# Altium PCB mantarray_beta2_sensor.PcbDoc (part 1 of 5)
Units mm, origin at the board's own origin, x right, y up, seen from the top; angles counter-clockwise.
Board outline 194.65 x 250 mm, 6 copper layers (Top Layer, GND1, Signal1, Int3 (Sign), AVDD, Bottom Layer), stack 1.551 mm thick; 528 components, 0 nets, 3971 pads, 590 vias.
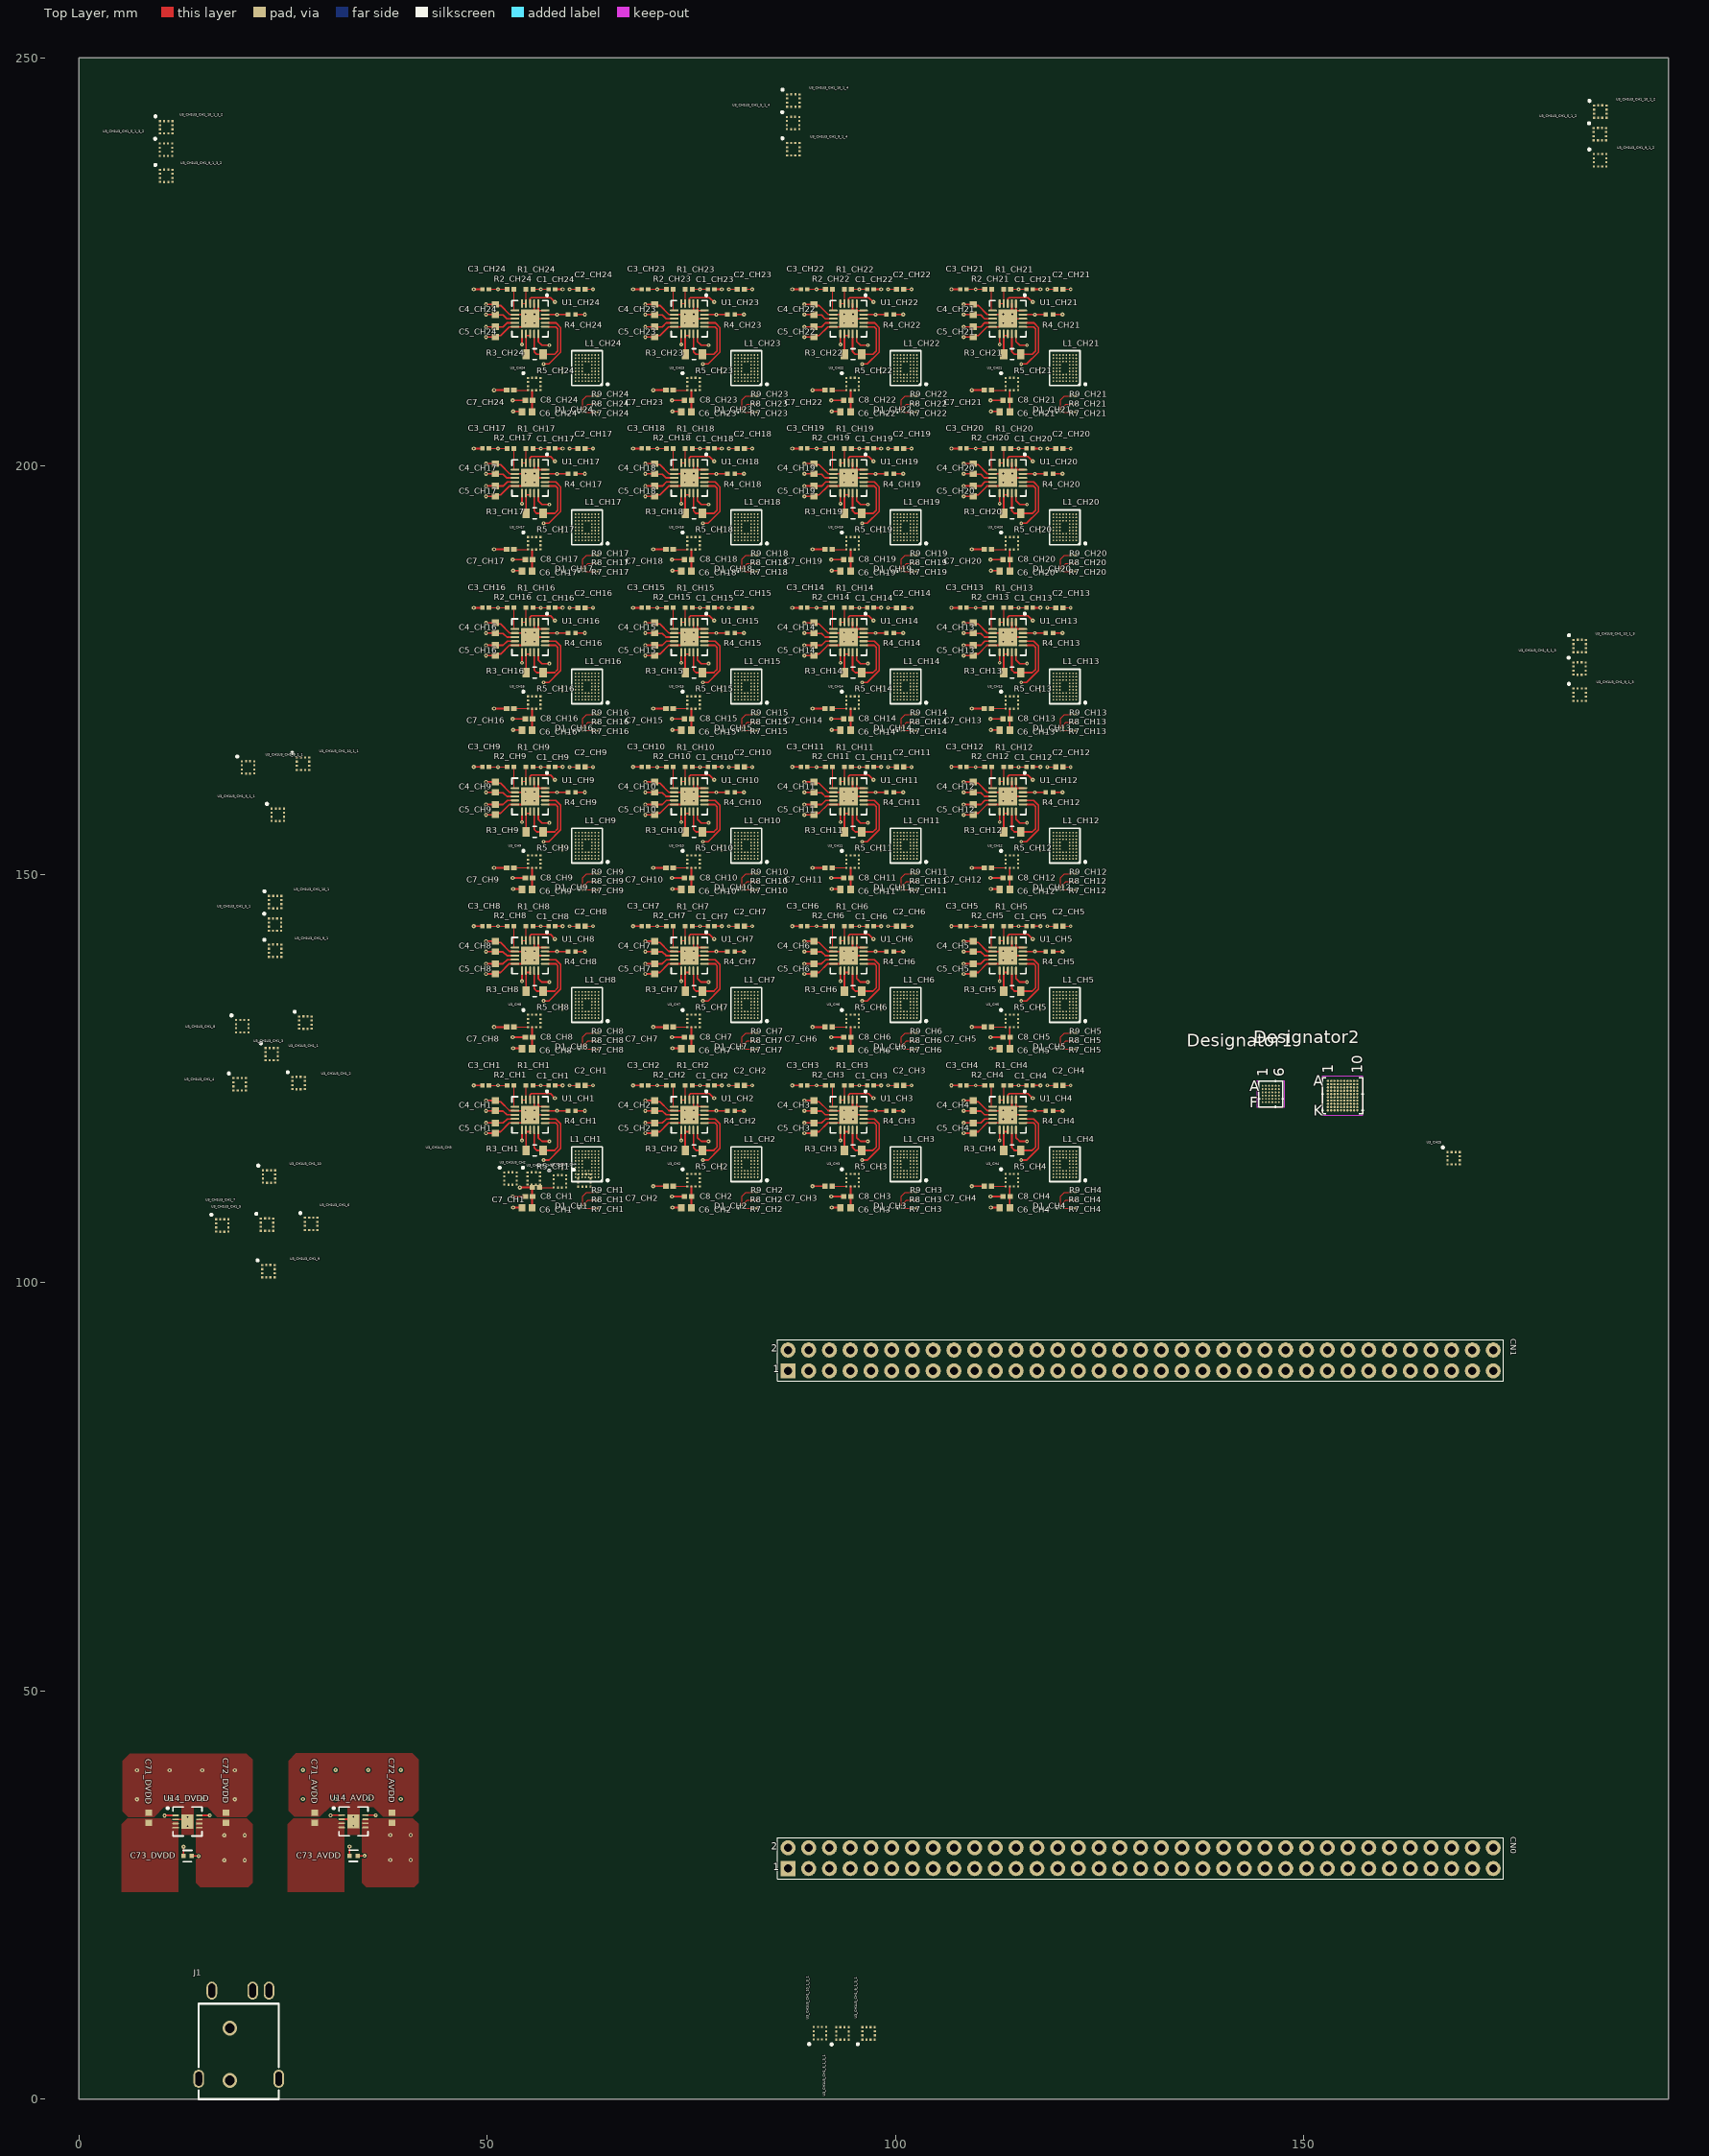
[diagram p0: Top Layer view]
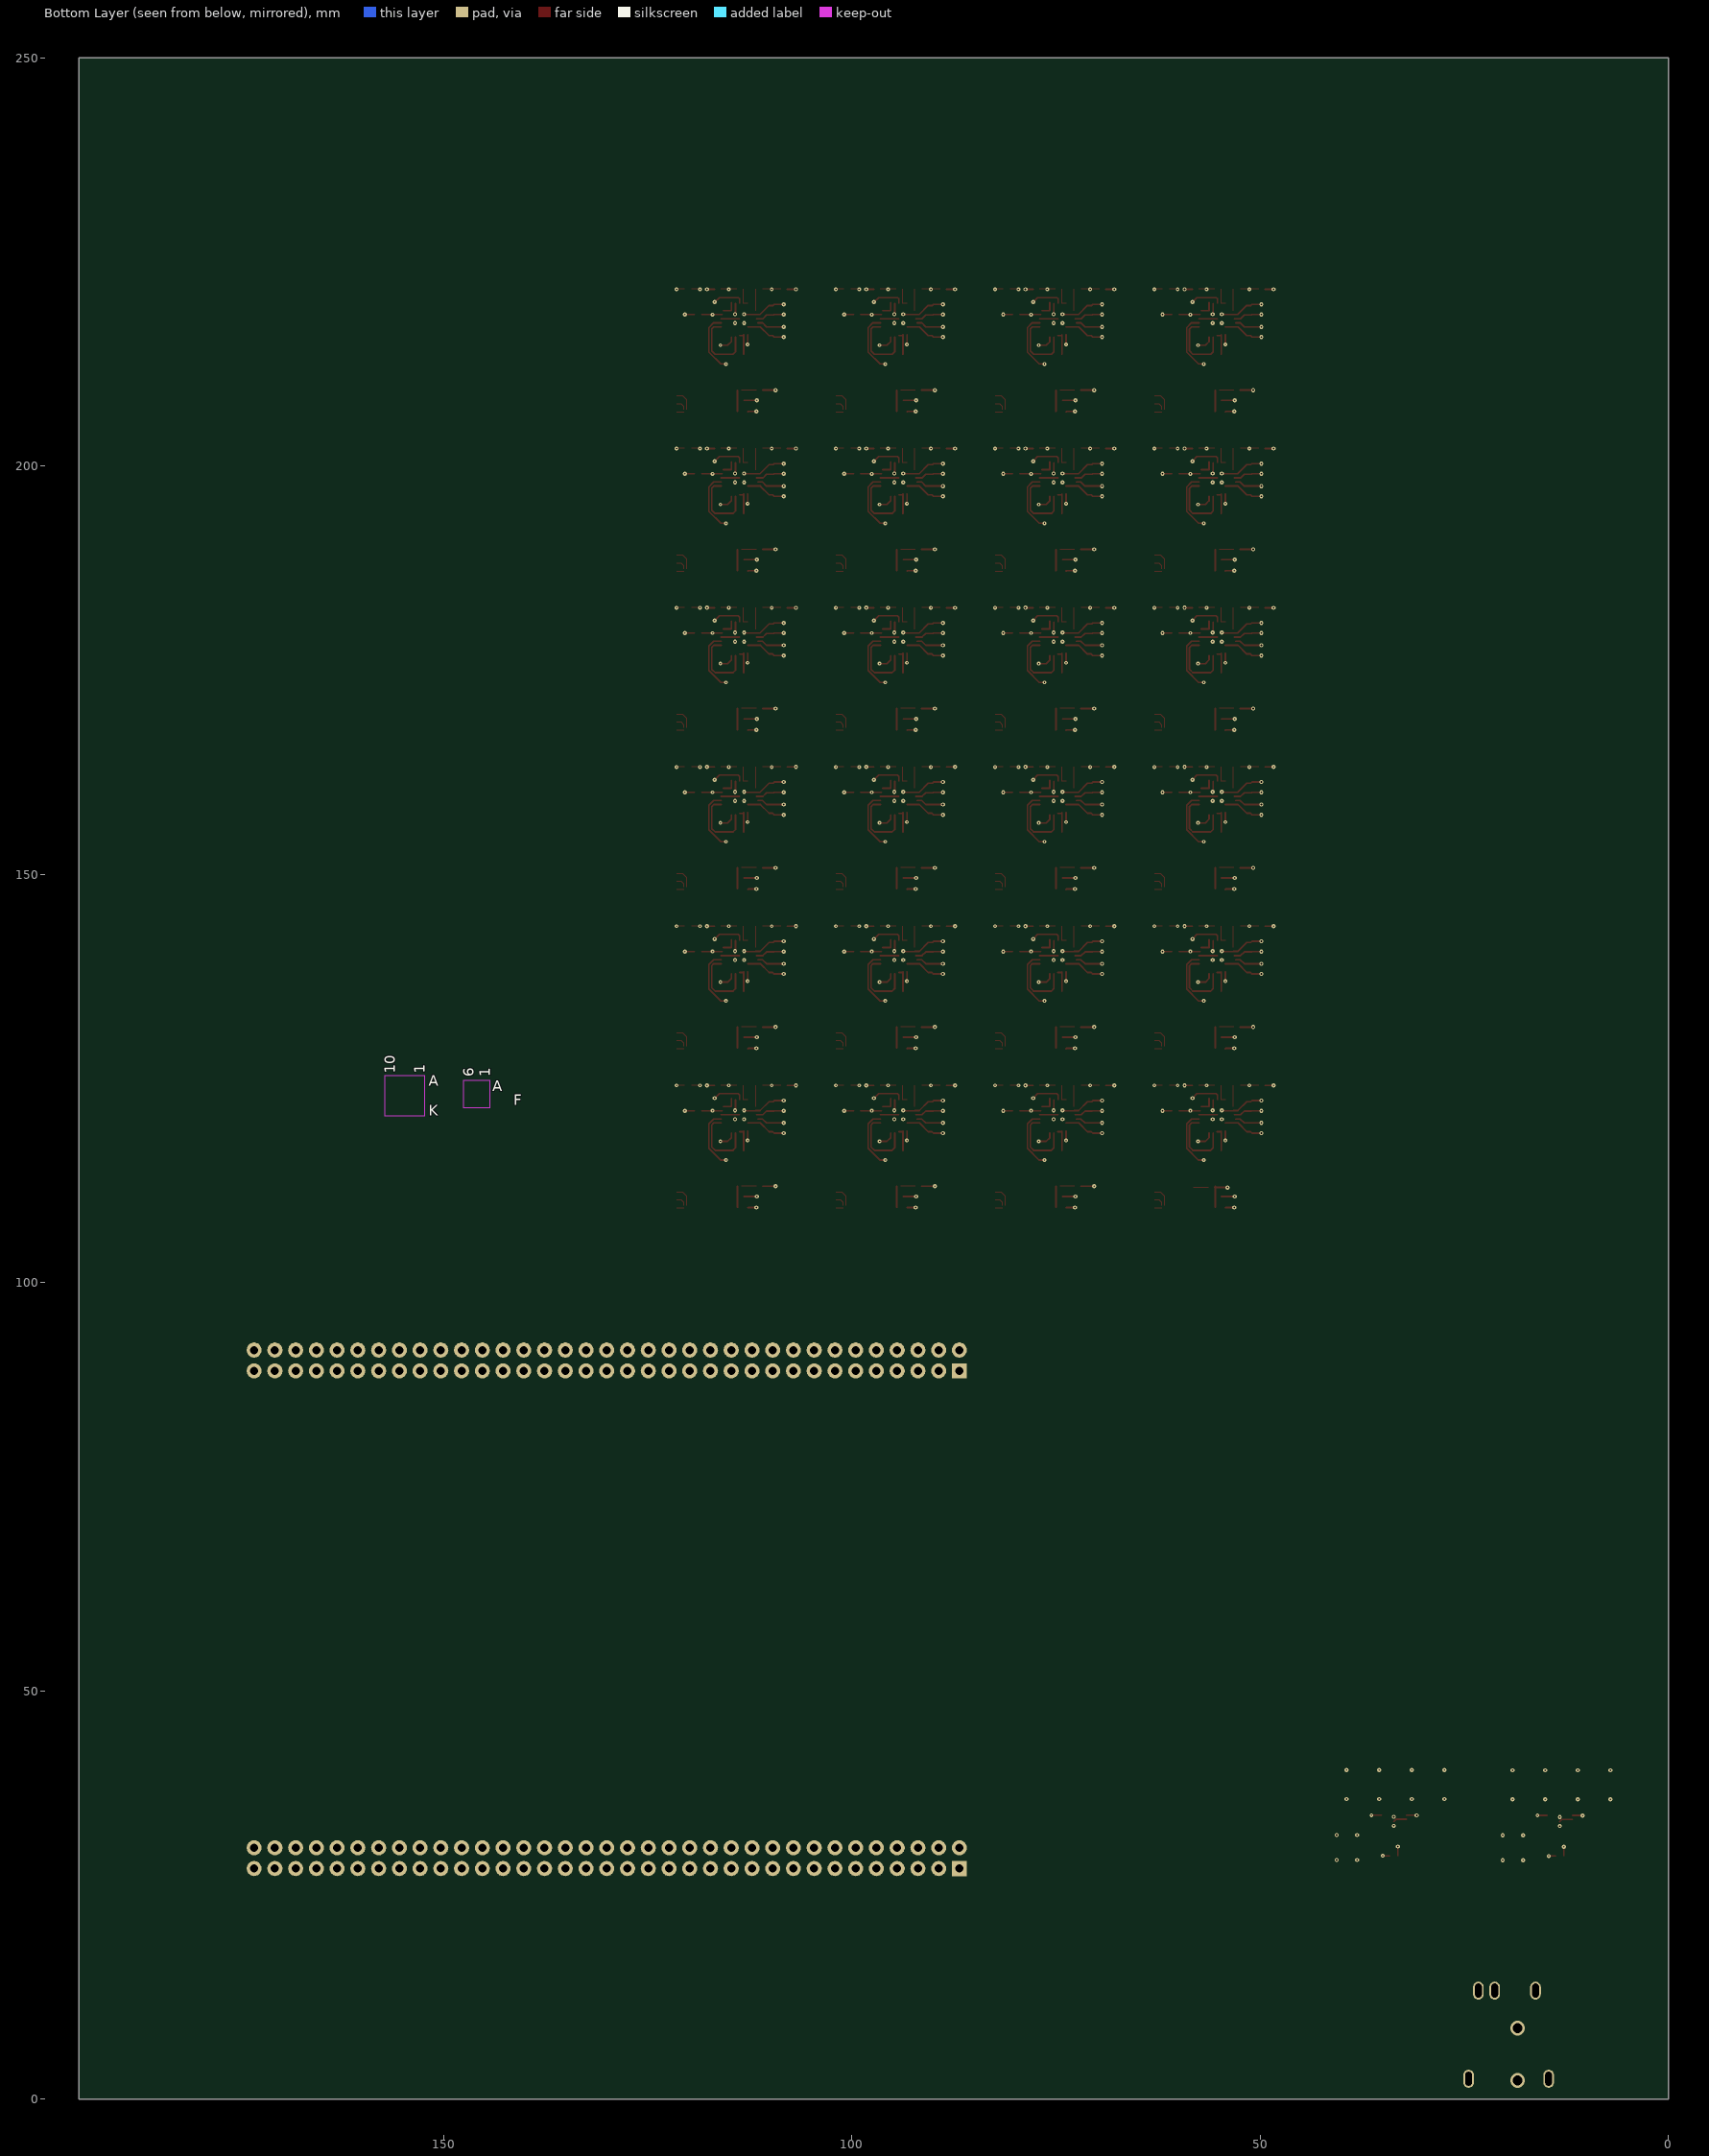
[diagram p1: Bottom Layer view, seen from below]
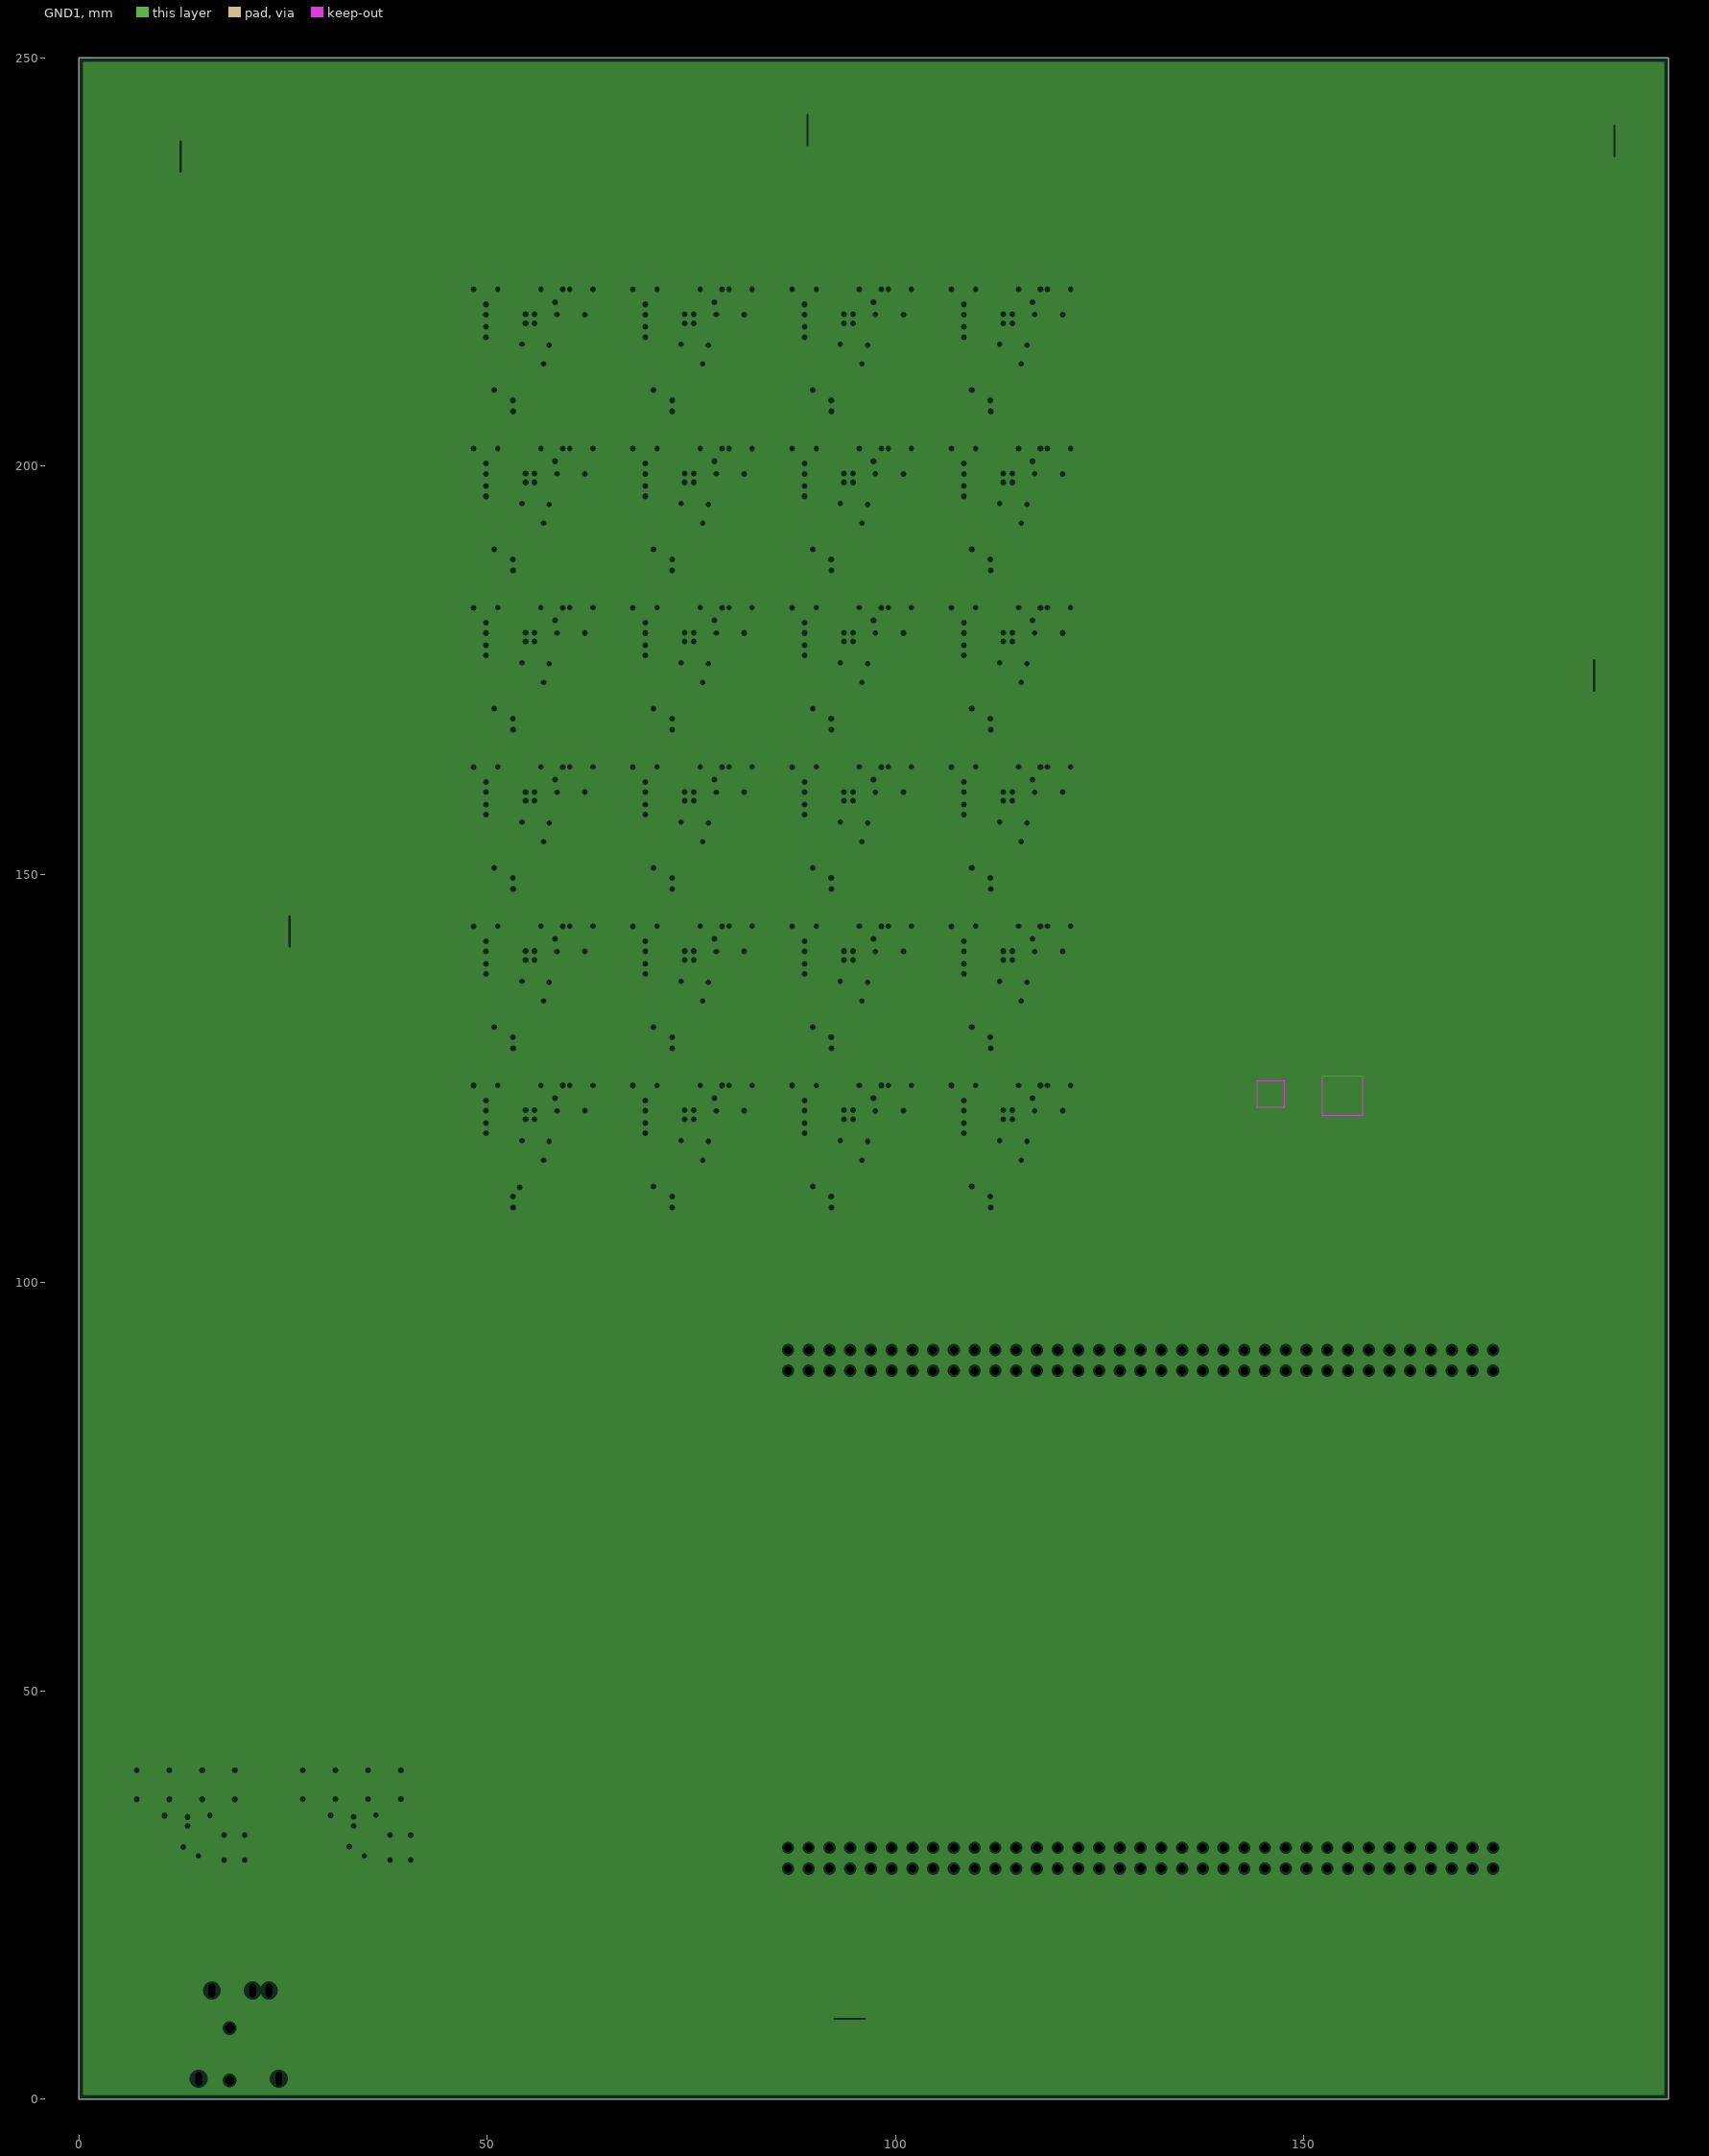
[diagram p2: GND1, clearances drawn from the general rule]